# Altium PCB RFID final_backup.PcbDoc (part 2 of 4) (continued)
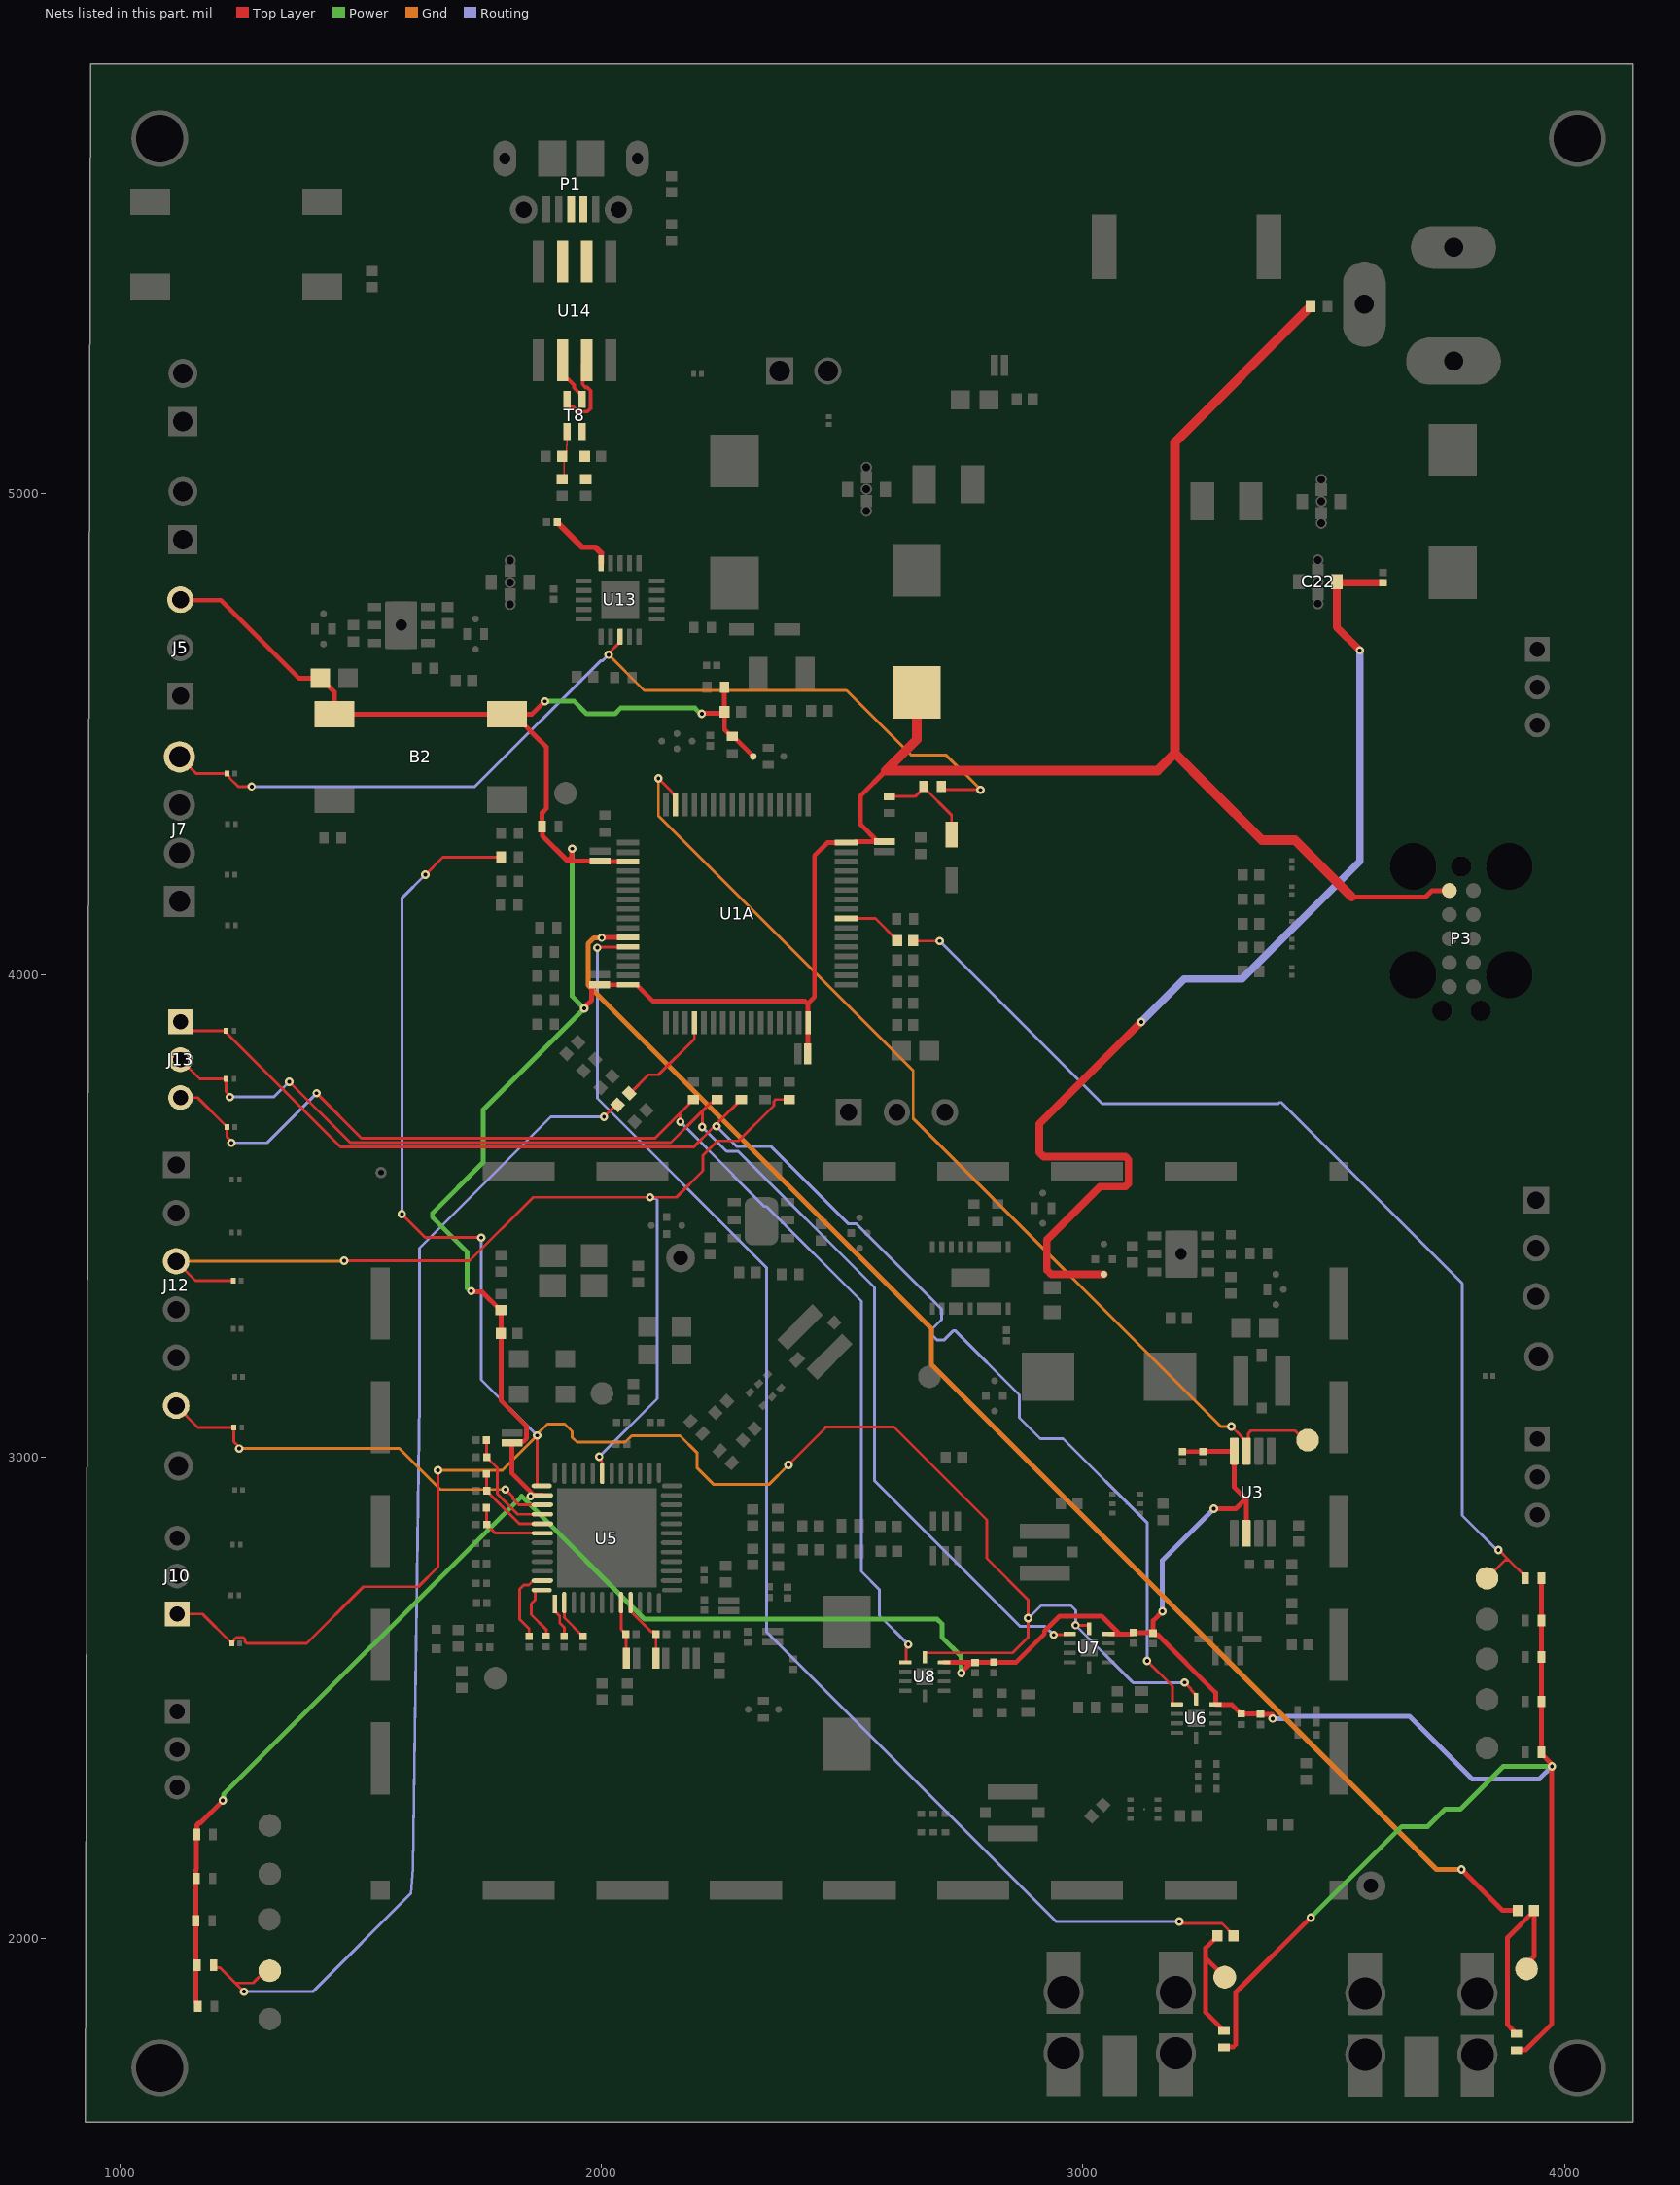
[diagram p6: the nets of this part, all layers, seen from the top]
## Part data (continued)
R21: library part RC0402FR-07100RL, "100 Ohms Â±1% 0.063W, 1/16W Chip Resistor 0402 (1005 Metric) Moisture Resistant Thick Film", Package="0402 Yageo", Availability="In Stock", Check_prices=https://www.snapeda.com/parts/RC0402FR-07100RL/Yageo/view-part/?ref=eda, MF=Yageo, MP=RC0402FR-07100RL, Price=None, Purchase-URL=https://pricing.snapeda.com/search/part/RC0402FR-07100RL/?ref=eda, SnapEDA_Link=https://www.snapeda.com/parts/RC0402FR-07100RL/Yageo/view-part/?ref=snap
R22: library part RC0402FR-0751R1L, "Res Thick Film 0402 51.1 Ohm 1% 1/16W ?100ppm/C Molded SMD SMD Paper T/R", Package=None, Availability=Unavailable, MF="{'manufacturer': u'YAGEO'}", MP=RC0402FR-0751R1L, Price=None
R23: library part ERJ2RKF52R3X, Package=None, Availability=Unavailable, MP=ERJ2RKF52R3X, Price=None
R24: library part RC0402FR-07249RL, "Res Thick Film 0402 249 Ohm 1% 1/16W ?100ppm/C Molded SMD SMD Paper T/R", Package=None, Availability=Unavailable, MP=RC0402FR-07249RL, Price=None
R25 R45: library part RC0402FR-0762RL, "RESISTOR, 0402 0.063W 1% 62R; Resistance:62ohm; Resistance Tolerance:Â± 1%; Power Rating:63mW; Voltage Rating:50V; Temperature Coefficient:Â± 100ppm/Â°C; Resistor Element Material:Thick Film; Resistor Case Style:0402; Resistor Mounting:SMD; SVHC:No SVHC (19-Dec-2011); External Depth:0.35mm; External Length / Height:1mm; External Width:0.5mm; No. of Pins:2; Operating Temperature Range:-55Â°C to +155Â°C; Overload Voltage:100V; Package / Case:0402; Series:RC32H; Temperature Coeff. +:100ppm/Â°C; Temperature Coeff. -:100ppm/Â°C", Package=None, Availability=Unavailable, MP=RC0402FR-0762RL, Price=None
R26 R35: library part ERJ2RKF75R0X, Package=None, Availability=Unavailable, MP=ERJ2RKF75R0X, Price=None
R28: library part RC0402FR-0735K7L, "RES SMD 35.7K OHM 1% 1/16W 0402", Package=None, Availability=Unavailable, MP=RC0402FR-0735K7L, Price=None
R30: library part ERJ2RKF4222X, Package=None, Availability=Unavailable, MP=ERJ2RKF4222X, Price=None
R32: library part RCG0402100KFKED, "Res Thick Film 0402 100K Ohm 1% 1/16W Â±100ppm/Â°C Molded SMD", Package=None, Availability=Unavailable, MP=RCG0402100KFKED, Price=None
R33: library part ERJ-2GEJ153X, "15 kOhms ±5% 0.1W, 1/10W Chip Resistor 0402 (1005 Metric) Automotive AEC-Q200 Thick Film", Package="1020-2 Panasonic", Check_prices=https://www.snapeda.com/parts/ERJ-2GEJ153X/Panasonic+Electronic+Components/view-part/?ref=eda, MF="Panasonic Electronic", MP=ERJ-2GEJ153X, SnapEDA_Link=https://www.snapeda.com/parts/ERJ-2GEJ153X/Panasonic+Electronic+Components/view-part/?ref=snap
R41 R47: library part RC0402FR-0727RL, "Surface Mount Thick Film Resistor, RC Series, 27 ohm, 63 mW, - 1%, 50 V, 0402 [1005 Metric]", Package="1005 Panasonic Electronic Components", Digi-Key_Part_Number=YAG3086CT-ND, Digi-Key_Purchase_URL=https://www.digikey.com/product-detail/en/yageo/RC0402FR-0727RL/YAG3086CT-ND/5281951?utm_source=snapeda&utm_medium=aggregator&utm_campaign=symbol, MF=Yageo, MP=RC0402FR-0727RL, SnapEDA_Link=https://www.snapeda.com/parts/RC0402FR-0727RL/Yageo/view-part/938293/?ref=snap
R44: library part RC0402FR-0731K6L, "Thick film general purpose", Package=None, Availability=Unavailable, MP=RC0402FR-0731K6L, Price=None
R86: library part RC0402JR-0720RL, "20 Ohms ±5% 0.063W, 1/16W Chip Resistor 0402 (1005 Metric) Moisture Resistant Thick Film", Package="1005 Panasonic Electronic Components", Check_prices=https://www.snapeda.com/parts/RC0402JR-0720RL/Yageo/view-part/?ref=eda, MF=Yageo, MP=RC0402JR-0720RL, SnapEDA_Link=https://www.snapeda.com/parts/RC0402JR-0720RL/Yageo/view-part/?ref=snap
S1: "RF Switch IC WiMax, WLAN SPDT 6GHz 50Ohm 6-DFN (1.5x1.5)", Package="XFDFN-6 Skyworks Solutions", Availability=Warning, MF="Skyworks Solutions", MP=SKY13431-374LF, Price=None, Purchase-URL=https://pricing.snapeda.com/search/part/SKY13431-374LF/?ref=eda, SnapEDA_Link=https://www.snapeda.com/parts/SKY13431-374LF/Skyworks%20Solutions%20Inc./view-part/1233094/?ref=snap
S2: library part SKY13431-374LF, "RF Switch IC WiMax, WLAN SPDT 6GHz 50Ohm 6-DFN (1.5x1.5)", Package="XFDFN-6 Skyworks Solutions", Availability=Warning, MF="Skyworks Solutions", MP=SKY13431-374LF, Price=None, Purchase-URL=https://pricing.snapeda.com/search/part/SKY13431-374LF/?ref=eda, SnapEDA_Link=https://www.snapeda.com/parts/SKY13431-374LF/Skyworks%20Solutions%20Inc./view-part/1233094/?ref=snap
SHIELD1: "EMI Filters; Board Level Shielding (BLS); STD SHIELD FRAME; CRS-50.80X38.10X5.08MM", Package=None, Availability=Warning, DigiKey-Purchase-URL=https://snapeda.com/shop?store=DigiKey&id=1493072, MF="TE Connectivity", Mouser-Purchase-URL=https://snapeda.com/shop?store=Mouser&id=1493072, MP=2118732-2, Price=None, SnapEDA_Link=https://www.snapeda.com/parts/2118732-2/TE%20Connectivity%20AMP%20Connectors/view-part/1493072/?ref=snap
T1: library part 0900LP15B0063E, "911.5MHz Frequency Low Pass RF Filter (Radio Frequency) 97MHz Bandwidth 0.9dB 0805 (2012 Metric), 8 PC Pad", Package="0805 Johanson", Availability=Bad, MF="Johanson Technology", MP=0900LP15B0063E, Price=None, SnapEDA_Link=https://www.snapeda.com/parts/0900LP15B0063E/Johanson%20Technology%20Inc./view-part/2720562/?ref=snap
T2: library part DC1722J5020AHF, "RF Directional Coupler General Purpose 1.7GHz ~ 2.2GHz 19.9dB 2W 0805 (2012 Metric)", Package="0805 Anaren Microwave", Availability=Unavailable, MF=Anaren, MP=DC1722J5020AHF, Price=None, SnapEDA_Link=https://www.snapeda.com/parts/DC1722J5020AHF/Anaren/view-part/480148/?ref=snap
T3: library part 0900BL15C050E, "Filter", Manufacturer_Name="JOHANSON TECHNOLOGY", Mouser Part Number=609-0900BL15C050E, Arrow Part Number=0900BL15C050E, Arrow Price/Stock=https://www.arrow.com/en/products/0900bl15c050e/johanson-dielectrics?region=europe, Datasheet Link=https://www.johansontechnology.com/datasheets/0900BL15C050/0900BL15C050.pdf, Height=0.8mm, Manufacturer_Part_Number=0900BL15C050E, Mouser Price/Stock=https://www.mouser.co.uk/ProductDetail/Johanson-Technology/0900BL15C050E?qs=yCnrNFeXz%252BjgDEe7ZYwcVg%3D%3D
T4: library part DC0710J5010AHF, "RF Directional Coupler General Purpose 700MHz ~ 1GHz 10.9dB 2W 0805 (2012 Metric)", Package="0805 Anaren Microwave", Availability=Good, DigiKey-Purchase-URL=https://snapeda.com/shop?store=DigiKey&id=480146, MF=Anaren, Mouser-Purchase-URL=https://snapeda.com/shop?store=Mouser&id=480146, MP=DC0710J5010AHF, Price=None, SnapEDA_Link=https://www.snapeda.com/parts/DC0710J5010AHF/Anaren/view-part/480146/?ref=snap
T5 T6: "Signal Conditioning 800-1000MHz 50/100 Ohm IL=.95dB", Package=None, Check_prices=https://www.snapeda.com/parts/BD0810J50100AHF/LM+Technologies/view-part/?ref=eda, MF="ttm technologies", MP=BD0810J50100AHF, SnapEDA_Link=https://www.snapeda.com/parts/BD0810J50100AHF/LM+Technologies/view-part/?ref=snap
T8: library part CMP-0222-00046-2, Ambient Temperature Range High=85°C, Ambient Temperature Range Low=-40°C, Case/Package=0805, Current=370mA, DC Resistance (DCR)=300mΩ, Frequency=100MHz, Inductance=131nH, Max Operating Temperature=125°C, Tolerance=25%, Voltage Rating=50V, Core Material=Ferrite, Current Rating=370mA, Depth=1.2mm, Height=1.2mm, Impedance=90Ω, Lead Free="Lead Free", Length=2mm, Max Current Rating=370mA, Max DC Current=370mA, Min Operating Temperature=-40°C, Mount="Surface Mount", NexarPartId=22803305, Number of Lines=2, Number of Pins=4, Packaging=Digi-Reel®, REACH SVHC="No SVHC", Resistance=300mΩ, RoHS=Compliant, Termination=SMD/SMT, Test Frequency=100MHz, Voltage Rating (AC)=50V, Voltage Rating (DC)=50V, Weight=11.991848mg, Width=1.2mm
U1A: "ARMÂ® CortexÂ®-M4 STM32L4 Microcontroller IC 32-Bit Single-Core 80MHz 1MB (1M x 8) FLASH 64-LQFP (10x10)", Package="LQFP-64 STMicroelectronics", Availability="In Stock", Check_prices=https://www.snapeda.com/parts/STM32L476RGT6/STMicroelectronics/view-part/?ref=eda, MF=STMicroelectronics, MP=STM32L476RGT6, Price=None, Purchase-URL=https://pricing.snapeda.com/search?q=STM32L476RGT6&ref=eda, SnapEDA_Link=https://www.snapeda.com/parts/STM32L476RGT6/STMicroelectronics/view-part/?ref=snap
U2: "RF Amplifier 699-960MHz PAE 31% Gain 35.5dB", Package=None, Availability=Warning, MF=Qorvo, MP=TQP9107, Price=None, Purchase-URL=https://pricing.snapeda.com/search/part/TQP9107/?ref=eda, SnapEDA_Link=https://www.snapeda.com/parts/TQP9107/Qorvo/view-part/1064589/?ref=snap
U3: library part MAX4003EUA+T, "100MHz to 2500MHz, 45dB RF Detector in a UCSP", Package="MICRO MAX-8 Maxim", Check_prices=https://www.snapeda.com/parts/MAX4003EUA+T/Analog+Devices/view-part/?ref=eda, MF="Analog Devices", MP=MAX4003EUA+T, SnapEDA_Link=https://www.snapeda.com/parts/MAX4003EUA+T/Analog+Devices/view-part/?ref=snap
U4: library part TXETDCSANF-20.000000, "20MHz TCXO Clipped Sine Wave Oscillator 2.8V ~ 3.3V 4-SMD, No Lead", Package="SMD-4 Taitien", Availability=Warning, MF=Taitien, MP=TXETDCSANF-20.000000, Price=None, Purchase-URL=https://pricing.snapeda.com/search/part/TXETDCSANF-20.000000/?ref=eda, SnapEDA_Link=https://www.snapeda.com/parts/TXETDCSANF-20.000000/Taitien/view-part/3601305/?ref=snap
U5: "Integrated Circuit", Manufacturer_Name=STMicroelectronics, Mouser Part Number=511-ST25RU3993-BQFT, Arrow Part Number=ST25RU3993-BQFT, Arrow Price/Stock=https://www.arrow.com/en/products/st25ru3993-bqft/stmicroelectronics?region=nac, Datasheet Link=https://www.st.com/resource/en/datasheet/st25ru3993.pdf, Height=1mm, Manufacturer_Part_Number=ST25RU3993-BQFT, Mouser Price/Stock=https://www.mouser.co.uk/ProductDetail/STMicroelectronics/ST25RU3993-BQFT?qs=VBQ3p0kw5tgG4N%252BXfjyUgw%3D%3D
U6 U7 U8: "Murata Digitally Tunable Capacitor (100-3000 MHz) 0.9-4.6pF, SPI Interface", Package=None, Availability=Bad, MF=pSemi, MP=PE64906MLAA-Z, Price=None, SnapEDA_Link=https://www.snapeda.com/parts/PE64906MLAA-Z/pSemi/view-part/4991719/?ref=snap
U9 U10 U11: "Ð›Ð¸Ð½ÐµÐ¹Ð½Ñ‹Ð¹ Ñ€ÐµÐ³ÑƒÐ»ÑÑ‚Ð¾Ñ€ Ð½Ð°Ð¿Ñ€ÑÐ¶ÐµÐ½Ð¸Ñ IC Ñ Ð¿Ð¾Ð»Ð¾Ð¶Ð¸Ñ‚ÐµÐ»ÑŒÐ½Ñ‹Ð¼ Ñ€ÐµÐ³ÑƒÐ»Ð¸Ñ€Ð¾Ð²Ð°Ð½Ð¸ÐµÐ¼ 1 Ð²Ñ‹Ñ…Ð¾Ð´ 1A 6-DFN (3x3)", Package="DFN-6 STMicroelectronics", Check_prices=https://www.snapeda.com/parts/LD39100PUR/STMicroelectronics/view-part/?ref=eda, MF=STMicroelectronics, MP=LD39100PUR, SnapEDA_Link=https://www.snapeda.com/parts/LD39100PUR/STMicroelectronics/view-part/?ref=snap
U13: "USB2.0 Full Speed IC offers a compact bridge to full handshake UART Interface", Package=None, Availability=Unavailable, MP=FT231XQ-R, Price=None
U14: "- Clamp - Ipp Tvs Diode Surface Mount 8-SOIC", Package="SOIC-8 STMicroelectronics", Check_prices=https://www.snapeda.com/parts/USB6B1RL/STMicroelectronics/view-part/?ref=eda, MF=STMicroelectronics, MP=USB6B1RL, SnapEDA_Link=https://www.snapeda.com/parts/USB6B1RL/STMicroelectronics/view-part/?ref=snap
X1: "32.768 kHz Â±20ppm Crystal 6pF 70 kOhms 2-SMD, No Lead", Package="SMD-2 NDK", Check_prices=https://www.snapeda.com/parts/NX3215SA-32.768K-STD-MUA-14/NDK+America%252C+Inc./view-part/?ref=eda, MF="NDK America,", MP=NX3215SA-32.768K-STD-MUA-14, SnapEDA_Link=https://www.snapeda.com/parts/NX3215SA-32.768K-STD-MUA-14/NDK+America%252C+Inc./view-part/?ref=snap
X3: library part NX3225SA-20.000000MHZ-B2, "Crystal or Oscillator", Manufacturer_Name=NDK, Mouser Part Number=344-NX3225SA20MHZB2, Datasheet Link=https://media.digikey.com/pdf/Data%20Sheets/NDK%20PDFs/NX3225SA-20.000000MHz-B2.pdf, Height=0.7mm, Manufacturer_Part_Number=NX3225SA-20.000000MHZ-B2, Mouser Price/Stock=https://www.mouser.co.uk/ProductDetail/NDK/NX3225SA-20.000000MHZ-B2?qs=w%2Fv1CP2dgqr91JjcOyduEA%3D%3D

## Free pads (board coordinates)
  rect 15.75x23.62 smd: 2(1720.47,4708.66) 2(1755.91,4708.66) 2(2898.78,3516.18) 4(2934.21,3516.18) 9(3382.87,3347.44) 18(1404.53,4719.49) 19(1439.96,4719.49)
  rect 23.62x15.75 smd: 2(2336,2457.54) 2(2336,2492.97) 2(2346.46,4472.44) 4(2346.46,4437.01)
  rect 15.75x15.75 smd: 6(2518.31,3464.84) 11(2798.31,3126.34) 12(2833.74,3126.34) 13(2135,3462.54) 15(2135,3497.97) 16(3025.59,3410.43) 17(3061.02,3410.43)
  round 60 hole 30: 14(2164,3413) 31(3598,2109)
  round 23.62 hole 11.81: 38(1541.75,3590.25)
  round 30 smd: 39(3811,4076)
  rrect50% 70x100 smd: E.P.(2332,3489)
  round 118.11 hole 98.43: MH1(4027,5738) MH2(1082,5738) MH3(1082,1731) MH4(4027,1731)

## Via types
v1: diameter 23.62, hole 13.78, Top Layer to Bottom_Gnd, 278 vias
v2: diameter 17.72, hole 7.87, Top Layer to Bottom_Gnd, tented both sides, 175 vias
v3: diameter 23.62, hole 13.78, Top Layer to Bottom_Gnd, tented both sides, 151 vias
v4: diameter 23.62, hole 15.75, Top Layer to Bottom_Gnd, tented both sides, 124 vias
v5: diameter 23.62, hole 11.81, Top Layer to Bottom_Gnd, tented both sides, 7 vias
v6: diameter 21.65, hole 11.81, Top Layer to Bottom_Gnd, tented both sides, 1 vias
v7: diameter 19.68, hole 11.81, Top Layer to Bottom_Gnd, tented both sides, 1 vias

## Nets (pads, with @x,y where several pads share a name; then routed paths per layer and width w, separated by ;. In a path a pad name is that pad's centre, name@x,y a point inside that pad or via, vN(x,y) a via of type N, cw(c..) or ccw(c..) an arc to the next point about the centre after c; other vN are vias at no path point)
3V3: B2.3 B2.4 C2.1 C11.1 C15.2 C18.2 C19.2 C27.2 C28.2 C29.2 C31.2 C50.2 C53.2 C68.2 C69.2 C70.2 C87.2 C95.2 D1.A D2.A D3.A D4.A D5.A D6.A D7.A D8.A D11.A D12.A D13.A D16.A D17.A FB3.1 FB4.1 J5.3 P3.1 R1.2 R6.2 R32.2 R61.2 U1A.19 U1A.32 U1A.48 U1A.64 U3.2 U3.8 U5.38 U6.4 U7.4 U8.4 | length 14125.6
  Top Layer w9.84: 3260.63,4389.81 3262.19,4389.81
  Top Layer w10: J5.3@1125,4780 1126,4779 1209,4779 1370.87,4617.13 R1.2@1415.55,4617.13 1415.95,4617.13 1444.88,4588.19 B2.3@1444.88,4542.32 B2.4@1803.15,4542.32 B2.4@1816.93,4542.32 ; D6.A@1160.34,1858.95 D6.A@1161.03,1858.27 1161.03,1862.22 1156.7,1866.55 D12.A@1156.7,2036.42 1156.7,2141.55 1158.46,2143.31 D7.A@1158.46,2215.55 1159.21,2216.3 1159.21,2234.82 1164.19,2239.8 1166.8,2239.8 v2(1213,2286) ; v2(1729,3344) 1730.48,3342.52 1751.65,3342.52 1789.84,3304.33 C50.2@1791.02,3304.33 FB4.1@1791.02,3256.34 1791.02,3116.48 1844.15,3063.35 1844.15,3038.35 1836.93,3031.13 1816.48,3031.13 C69.2@1814,3028.65 1814,2965.58 U5.38@1859.66,2919.92 ; v2(1852.43,2918) 1854.52,2918 1856.15,2919.63 1859.37,2919.63 U5.38@1859.66,2919.92 ; U5.38@1876.76,2919.92 U5.38@1859.66,2919.92 ; v2(1882,4569) 1855.32,4542.32 B2.4@1816.93,4542.32 ; v2(1939,4263) 1937.52,4261.52 1937.52,4245.13 1929.56,4237.17 ; v2(1964,3931) 1964,3933.09 1979.35,3948.43 1979.35,3977.81 1981.83,3980.29 C28.2@1996,3980.29 1996.09,3980.2 2072.51,3980.2 2106.72,3946 2422.13,3946 2427.99,3940.14 ; U1A.19@2054.88,4236.02 2054.31,4236.59 1997.62,4236.59 C27.2@1997.05,4237.17 1929.56,4237.17 ; v2(2208,4543) 2209.48,4544.48 2252.59,4544.48 FB3.1@2255.35,4547.24 ; R6.2@2254.92,4598.43 2255.14,4598.21 2255.14,4547.46 FB3.1@2255.35,4547.24 ; C2.1@2314.96,4454.72 2314.96,4454.92 2273.82,4496.06 R61.2@2271.65,4496.06 2269.49,4496.06 2255.35,4510.2 FB3.1@2255.35,4547.24 ; C29.2@2428.35,3836.97 2428.62,3837.24 2428.62,3901.1 U1A.48@2428.9,3901.38 2428.9,3941.9 2442.14,3955.14 2442.14,4248.52 2469.02,4275.39 U1A.64@2507.64,4275.39 2525.35,4275.39 2527.64,4277.68 C31.2@2573.46,4277.68 ; C31.2@2587.64,4277.68 C31.2@2573.46,4277.68 ; 2590,4425 2538,4373 2538,4313.14 C31.2@2573.46,4277.68 ; U8.4@2711.61,2572.83 2711.73,2572.72 2775.51,2572.72 C18.2@2775.63,2572.6 2775.98,2572.95 2814.61,2572.95 C53.2@2814.96,2573.31 2860.98,2573.31 2919.86,2632.19 2919.86,2637.53 2951.26,2668.93 3038.94,2668.93 3075.98,2631.89 ; v2(2747,2551) 2747,2552.1 2764.82,2569.92 ; U7.4@3053.15,2631.89 3075.98,2631.89 ; v2(3165,2679) 3145.67,2659.67 C87.2@3145.67,2633.62 ; C15.2@3206.69,3010.59 3206.81,3010.71 3248.9,3010.71 C70.2@3249.02,3010.83 3313.39,3010.83 U3.8@3313.98,3011.42 3313.98,2936.85 3339.31,2911.51 ; v2(3272,2892) 3317.44,2892 3336.96,2911.51 3339.31,2911.51 ; D16.A@3292.95,1773.36 3293.7,1774.11 3312.23,1774.11 ; 3317.2,1779.09 3317.2,1887.2 v2(3473,2043) ; U3.2@3339.31,2841.2 3339.31,2911.51 ; 3392.69,2465.22 3392.69,2457.64 v2(3394.17,2456.17) ; 3392.68,2465.24 C19.2@3368.9,2465.24 3368.54,2465.59 3328.86,2465.59 3308.92,2485.53 U6.4@3275.35,2485.53 3275.35,2510.09 3154.5,2630.94 3148.35,2630.94 C87.2@3145.67,2633.62 ; 3558.09,4162.91 3712.13,4162.91 3725.23,4176 P3.1@3761,4176 ; D17.A@3900.59,1767.33 3901.34,1768.08 3919.86,1768.08 3974,1822.22 v2(3974,2357) 3972.52,2358.48 3972.52,2362.46 3952.6,2382.39 D3.A@3952.6,2386.34 D11.A@3952.6,2491.65 D5.A@3952.6,2584.17 D2.A@3952.6,2659.96 D4.A@3952.6,2747.56 ; B2.4@1816.93,4542.32 1884.86,4474.39 1884.86,4345.8 1876.19,4337.13 D1.A@1876.19,4309.06 1876.94,4308.31 1876.94,4289.78 1929.56,4237.17 ; 3075.98,2631.89 3101.97,2631.89 3104.92,2634.84 C95.2@3105.31,2634.84 3105.93,2634.23 3145.06,2634.23 C87.2@3145.67,2633.62
  Top Layer w19.68: C11.1@2654.53,4587.6 2654.53,4489.53 2590,4425 3155,4425 3191,4461 ; R32.2@3473,5389 3473,5387.23 3472.8,5387.03 3471.03,5387.03 3191,5107 3191,4461 ; 3558.09,4162.91 3440.59,4280.41 3371.59,4280.41 3262.19,4389.81 3191,4461
  Power w10: v2(1213,2286) 1214.48,2287.48 1214.48,2298.48 1834,2918 1843.22,2908.78 ; v2(1729,3344) 1726.91,3344 1721.05,3349.86 1721,3349.86 1721,3425 1648.44,3497.56 1648.44,3505.85 1754,3611.41 1754,3721 v2(1964,3931) 1939,3956 v2(1939,4263) ; v2(1852.43,2918) 1843.22,2908.78 ; v2(1882,4569) 1943.02,4569 1968.88,4543.14 2027.81,4543.14 2039.53,4554.86 2194.05,4554.86 2205.91,4543 v2(2208,4543) ; v2(2747,2551) 2747,2585 2707,2625 2707,2653 2697,2663 2089,2663 1843.22,2908.78 ; v2(3473,2043) 3662,2232 3716,2232 3752,2268 3784,2268 3873,2357 v2(3974,2357)
  Routing w10: v2(3165,2679) 3165,2785 v2(3272,2892) ; v2(3394.17,2456.17) 3418.19,2456.17 3423.02,2461 3678,2461 3808,2331 3948,2331 v2(3974,2357)
3V3OUT: C103.2 U13.10 | length 152.3
  Top Layer w5.91: C103.2@1907.95,4940.55 C103.2@1907.95,4940.94 ; U13.10@1996.65,4867.96 1999.02,4865.6 U13.10@1999.02,4855.71
  Top Layer w11.81: C103.2@1907.95,4940.55 1959.5,4889 1987,4889 1999.02,4876.98 U13.10@1999.02,4855.71
6V: C22.3 C24.2 C47.1 | length 2291.1
  Top Layer w5.91: C22.3@3527.37,4817 C22.3@3529.17,4815.2
  Top Layer w15.75: C47.1@3043.31,3378.94 2934.23,3378.94 2925,3388.16 2925,3450.43 3035.51,3560.94 3088.02,3560.94 3094.68,3567.6 3094.68,3616.4 3088.02,3623.06 2918.23,3623.06 2909,3632.28 2909,3691 v2(3121,3903) ; C22.3@3527.37,4817 3527.37,4722.63 v2(3575,4675) ; C22.3@3529.17,4815.2 C24.2@3623.43,4815.2
  Routing w15.75: v2(3121,3903) 3210.19,3992.19 3330.19,3992.19 3575,4237 v2(3575,4675)
ADC: D38.1 J12.6 U5.39 | length 867.4
  Top Layer w5.91: J12.6@1116.14,3105.94 1161.14,3060.94 D38.1@1236.14,3060.94 1236.14,3031.05 1247,3020.2 v2(1247,3017) ; v2(1800,2932) 1815.92,2916.08 1815.92,2912.3 1827.99,2900.24 U5.39@1876.76,2900.24
  Gnd w5.91: v2(1247,3017) 1580,3017 1665,2932 v2(1800,2932)
AGD: C63.2 C64.2 U5.42 | length 158.5
  Top Layer w5.91: C63.2@1760.71,2894.31 1760.96,2894.05 1760.96,2859.56 C64.2@1761.22,2859.31 1761.22,2858.91 1778.95,2841.18 U5.42@1876.76,2841.18
ANT1: D16.C R82.2 TP14.TP? | length 280.9
  Top Layer w10: R82.2@3278.99,2005 3278.99,2003.82 3255,1979.83 3255,1958.58 ; D16.C@3292.95,1807.6 3289,1807.6 3286.14,1810.46 3286.14,1814.41 3255,1845.55 3255,1958.58 ; TP14.TP?@3294.29,1919.29 3255,1958.58
ANT1_LED: R82.1 U1A.28 | length 2863.6
  Top Layer w5.91: v2(1991,4057.14) 1992.29,4058.43 2054.45,4058.43 U1A.28@2054.88,4058.86 ; v2(3200,2035) 3203.2,2035 3207.7,2030.5 3288.69,2030.5 3313.01,2006.18 R82.1@3313.01,2005
  Routing w5.91: v2(1991,4057.14) 1991,3744.4 2342.81,3392.59 2342.81,2636.25 2944.06,2035 v2(3200,2035)
ANT2: D17.C R83.2 TP15.TP? | length 415.7
  Top Layer w10: D17.C@3900.59,1801.57 3896.64,1801.57 3893.78,1804.43 3893.78,1808.38 3882,1820.16 3882,2001.45 R83.2@3936.97,2056.42 ; TP15.TP?@3921.26,1936.02 3921.26,1946.1 3936.97,1961.81 R83.2@3936.97,2056.42 ; R83.2@3936.97,2057.6 R83.2@3936.97,2056.42
ANT2_LED: R83.1 U1A.27 | length 2944.9
  Top Layer w10: v2(2000,4078) 2000.27,4078.27 2054.61,4078.27 U1A.27@2054.88,4078.54 ; v2(3786.28,2142.81) 3871.48,2057.6 R83.1@3902.95,2057.6
  Gnd w10: v2(2000,4078) 1984.33,4078 1972.14,4065.81 1972.14,3979.53 2685.14,3266.53 2685.14,3191.86 3734.19,2142.81 v2(3786.28,2142.81)
Boot0: D10.A D15.A R37.2 | length 201.3
  Top Layer w5.91: D15.A@2597.64,4371.21 2651.05,4371.21 2669.65,4389.8 2727,4332.45 D10.A@2727,4292
CBIB: C88.2 C89.2 U5.9 | length 142.2
  Top Layer w5.91: U5.9@2060.24,2697.08 2059.08,2697.08 2059,2697 2059,2680.63 2103.37,2636.26 2108.46,2636.26 2113.19,2631.54 C89.2@2113.19,2631.34 2112.93,2631.08 2112.93,2581.95 C88.2@2112.68,2581.69
CBV: C83.2 C84.2 U5.8 | length 120
  Top Layer w5.91: U5.8@2040.55,2697.08 2040.55,2641.3 2050.31,2631.54 C84.2@2050.31,2631.34 2050.98,2630.67 2050.98,2582.36 C83.2@2051.65,2581.69
CD1: C61.2 C62.2 U5.41 | length 179.3
  Top Layer w5.91: C61.2@1760.71,2964.31 1760.96,2964.05 1760.96,2929.17 1829.27,2860.87 U5.41@1876.76,2860.87
CD2: C59.2 C60.2 U5.40 | length 231.9
  Top Layer w5.91: C59.2@1760.71,3034.31 1760.96,3034.05 1760.96,2999.56 C60.2@1761.22,2999.31 1761.22,2998.91 1783,2977.13 1783,2923 1825.45,2880.55 U5.40@1876.76,2880.55
CLK: D22.1 J10.1 R8.1 U5.37 U6.5 U7.5 U8.5 | length 4916.3
  Top Layer w5.91: J10.1@1118.19,2673.54 1170.67,2673.54 D22.1@1228.98,2615.24 ; D22.1@1231.93,2612.28 1231.93,2613.41 1236.95,2618.43 1236.95,2620.86 1240.73,2624.64 1255.65,2624.64 1259.43,2620.86 1259.43,2615.74 1262.88,2612.28 1387.28,2612.28 1505,2730 1619,2730 1660,2771 v2(1660,2972) ; v2(1585,3504) 1633,3456 1749.19,3456 v2(1750.09,3455.09) ; v2(1633.82,4209.18) 1634.18,4209.18 1670.28,4245.28 R8.1@1791.34,4245.28 ; v2(1866,3044) 1866,2941.23 1867.62,2939.61 U5.37@1875.5,2939.61 ; v2(2388,2983) 2465,3060 2465,3061.54 2607.46,3061.54 2800,2869 2800,2788.83 2886,2702.83 v2(2886,2664.81) 2886,2625 2853.62,2592.62 2672.64,2592.62 2671.26,2591.24 U8.5@2671.26,2583.66 ; v2(2984.67,2650.08) 3011.42,2650.08 3012.8,2648.7 U7.5@3012.8,2642.72 ; v2(3211,2531) 3224.24,2517.76 3224.24,2515.78 3235,2505.02 U6.5@3235,2496.35
  Gnd w5.91: v2(1660,2972) 1794,2972 v2(1866,3044) 1866,3046.98 1887.06,3068.04 1923.45,3068.04 1938.81,3052.68 1938.81,3040.04 1948.66,3030.19 2049,3030.19 2062.62,3043.81 2162.96,3043.81 2198,3008.77 2198,2977.23 2233.04,2942.19 2347.19,2942.19 v2(2388,2983)
  Routing w5.91: v2(1585,3504) 1585,4160 1633.82,4208.82 v2(1633.82,4209.18) ; v2(1750.09,3455.09) 1750.09,3159.91 v2(1866,3044) ; v2(2886,2664.81) 2886.81,2664.81 2913,2691 2975,2691 2984.67,2681.33 v2(2984.67,2650.08) ; v2@2984.67,2648.82 2985.93,2648.82 3103.75,2531 v2(3211,2531)
COMN_A: C80.2 U5.48 | length 124.2
  Top Layer w5.91: U5.48@1875.5,2723.07 1863.65,2723.07 1862.03,2721.45 1862.03,2702.55 1854,2694.52 1854,2672 1884.84,2641.16 C80.2@1884.84,2627.44
COMN_B: C82.2 U5.2 | length 86.3
  Top Layer w5.91: U5.2@1922.44,2697.08 1922.44,2665.98 1961.22,2627.2 C82.2@1961.61,2627.2
COMP_A: C79.2 U5.47 | length 160.3
  Top Layer w5.91: C79.2@1849.41,2627.2 1849.41,2642.59 1830,2662 1830,2725.54 1838.19,2733.73 1849.1,2733.73 1858.12,2742.76 U5.47@1876.76,2742.76
COMP_B: C81.2 U5.1 | length 74.8
  Top Layer w5.91: U5.1@1902.76,2693.88 1902.76,2679.39 1913.04,2669.11 1913.04,2655.03 1922.24,2645.82 C81.2@1922.24,2627.2
CRC_ERR: "TAG CRC ERROR.TP?" D13.C R66.2 | length 2474.9
  Top Layer w5.91: D13.C@1193.9,1943.9 1193.9,1943.75 1198.8,1938.85 1207.15,1938.85 1227.55,1918.45 1239,1907 ; v2(1257,1889) 1239,1907 ; 1310.65,1932.54 1301.54,1932.54 1276,1907 1239,1907 ; v2(2005,3706) 2030.15,3731.15 R66.2@2033.16,3731.15
  Routing w5.91: v2(1257,1889) 1400,1889 1604.08,2093.08 1608.1,2144.8 1621.78,3116.24 1621.78,3433.23 1894.55,3706 v2(2005,3706)
CRC_ERR_LED: R66.1 U1A.36 | length 215.6
  Top Layer w5.91: R66.1@2057.21,3755.21 2059.34,3755.21 2097.44,3793.31 2118.11,3793.31 2192.68,3867.87 U1A.36@2192.68,3901.38
D_CMC_N: C101.2 R41.1 T8.3 | length 108.6
  Top Layer w3.05: R41.1@1918,5030 1921.87,5033.87 1921.87,5078 C101.2@1918.01,5078 1927.11,5087.1 1927.11,5100 1928.15,5101.04 T8.3@1928.15,5128.94
D_CMC_P: C102.2 R47.1 T8.2
D_CON_N: P1.2 U14.2
D_CON_P: P1.3 U14.3
D_ESD_N: T8.4 U14.7 | length 181.7
  Top Layer w7.48: T8.4@1928.15,5195.87 1928.15,5186.02 1932.28,5181.89 1940.15,5181.89 1944.53,5177.51 1944.53,5175.15 1948.77,5170.91 1970.52,5170.91 1977.13,5177.52 1977.13,5214.22 1970.52,5220.82 1967.03,5220.82 1960.44,5227.41 1960.44,5233.61 1960.83,5234 1960.83,5269.49 U14.7@1968.9,5277.56
D_ESD_P: T8.1 U14.6 | length 100.8
  Top Layer w7.48: U14.6@1918.9,5277.56 1918.9,5246.06 1926.97,5237.99 1930.78,5237.99 1942.96,5225.81 1942.96,5220.17 1959.65,5203.49 T8.1@1959.65,5195.87
Detector: TP4.TP? U1A.15 U3.7 | length 2157.9
  Top Layer w5.91: v2(2118,4409) 2145.98,4381.02 2145.98,4379.18 2153.31,4371.85 U1A.15@2153.31,4354.13 ; v2(3308,3063) 3329.68,3041.32 3329.68,3040 3339.57,3030.12 U3.7@3339.57,3011.42 3343.23,3015.08 3343.23,3048.23 3349.19,3054.19 3440.34,3054.19 3460.08,3034.45 TP4.TP?@3466.54,3034.45
  Gnd w5.91: v2(2118,4409) 2118,4331 2647.16,3801.84 2647.16,3702.39 3286.55,3063 v2(3308,3063)
DTR: D50.1 J7.04 R37.1 U13.18 | length 2053.4
  Top Layer w5.91: J7.04@1123.03,4453.66 1158.03,4418.66 D50.1@1221.77,4418.66 1221.77,4417.54 1226.8,4412.52 1226.8,4410.08 1244.88,4392 v2(1273,4392) ; v2(2014.41,4665.68) 2014.41,4668.15 2038.39,4692.13 U13.18@2038.39,4703.35 ; R37.1@2705.63,4391.97 2711.6,4386 2711.6,4385.94 2712.32,4385.22 v2(2787,4385.22)
  Gnd w5.91: v2(2014.41,4665.68) 2088.28,4591.81 2508.66,4591.81 2643.47,4457 2716,4457 2787,4386 v2(2787,4385.22)
  Routing w5.91: v2(1273,4392) 1737,4392 1997.93,4652.93 2001.67,4652.93 v2(2014.41,4665.68)
EN: D35.1 J12.3 R13.1 U5.31 | length 2208.8
  Top Layer w5.91: J12.3@1116.14,3405.94 1156.14,3365.94 D35.1@1234.88,3365.94 ; v2(1465,3407) 1725.77,3407 1857.7,3538.93 v2(2100.78,3538.93) 2155.45,3538.93 2210.55,3594.03 2210.55,3625.67 2240.87,3656 2284.3,3656 2357.83,3729.53 2357.83,3738.39 2361.29,3741.85 R13.1@2389.76,3741.85 ; v2(1995,3000) 1995,2996.8 2000.51,2991.3 2000.51,2966.27 U5.31@2001.18,2965.6
  Gnd w5.91: J12.3@1116.14,3405.94 1116.67,3406.47 1464.47,3406.47 v2(1465,3407)
  Routing w5.91: v2(1995,3000) 2115.32,3120.32 2115.32,3533.29 2111.86,3536.75 2102.96,3536.75 v2(2100.78,3538.93)
ETC_1: D25.1 J13.1 R40.2 U6.6 | length 3066.1
  Top Layer w5.91: J13.1@1125,3903.35 1143.74,3884.61 D25.1@1220,3884.61 1221.83,3882.78 1221.83,3879.22 1458.05,3643 2190.77,3643 2228.32,3680.55 2228.32,3680.67 v2@2236.33,3688.67 ; v2(2238.61,3686.39) v2@2236.33,3688.67 ; R40.2@2290.35,3741.85 2288.19,3741.85 2281.5,3735.16 2281.5,3733.84 2249,3701.35 v2@2236.33,3688.67 ; v2(3133,2576) 3185.69,2523.31 3185.69,2486.91 3187.07,2485.53 U6.6@3194.65,2485.53
  Routing w5.91: v2(2238.61,3686.39) 2281.12,3643.88 2352.39,3643.88 2512.73,3483.54 2529.51,3483.54 2706.31,3306.75 2706.31,3285.08 2687.19,3265.96 2687.19,3252.04 2697.04,3242.19 2710.96,3242.19 2730.08,3261.31 2734.97,3261.31 2867.59,3128.68 2867.59,3081.13 2911.29,3037.44 2958.84,3037.44 3133,2863.28 v2(3133,2576)
ETC_2: D26.1 J13.2 R39.2 U7.6 | length 2736
  Top Layer w5.91: J13.2@1125,3824.61 1165,3784.61 D26.1@1220,3784.61 1220,3758.2 1228,3750.2 v2(1228,3747) ; v2(1351,3779) 1477.59,3652.41 2143.91,3652.41 2209,3717.5 ; v2(2209,3685) 2209,3717.5 ; R39.2@2240.16,3741.85 2233.46,3735.16 2226.66,3735.16 2209,3717.5 ; v2(2939,2630) 2939.94,2630.94 2971.5,2630.94 U7.6@2972.44,2631.89
  Routing w5.91: v2(1228,3747) 1319,3747 v2(1351,3779) ; v2(2209,3685) 2259.52,3634.48 2283.81,3634.48 2567,3351.29 2567,2950.23 2869.23,2648 2921,2648 v2(2939,2630)
ETC_3: D27.1 J13.3 R38.2 U8.6 | length 2575.3
  Top Layer w5.91: J13.3@1125,3745.87 1160.61,3745.87 1218.92,3687.56 1220.04,3687.56 1221.87,3685.73 D27.1@1221.87,3684.61 1221.87,3664.33 1231,3655.2 v2(1231,3652) ; v2(1408,3755) 1501.19,3661.81 2110.91,3661.81 2161.46,3712.37 ; v2(2163.36,3695.64) 2163.36,3714.27 2182.09,3732.99 2182.09,3735.16 2188.78,3741.85 R38.2@2190.94,3741.85 ; U8.6@2631.18,2572.57 2631.18,2572.83 2632.55,2574.21 2632.55,2602.36 2637,2606.8 v2(2637,2610)
  Routing w5.91: v2(1231,3652) 1305,3652 v2(1408,3755) ; v2(2163.36,3695.64) 2273.25,3585.75 2273.25,3584.3 2337.9,3519.66 2342.71,3519.66 2539.34,3323.02 2539.34,2761.66 2577,2724 2577,2670 v2(2637,2610)
extPA: D4.C extPA.TP? R18.2 | length 2167.6
  Top Layer w5.91: R18.2@2647.64,4071.97 2651.5,4071.97 2652.46,4071 v2(2702,4071) ; extPA.TP?@3839.17,2747.56 3876.55,2784.94 3884.94,2784.94 ; v2(3863,2806) 3863.87,2806 3884.94,2784.94 ; D4.C@3918.36,2747.56 3918.36,2751.51 3884.94,2784.94
  Routing w5.91: v2(2702,4071) 3040,3733 3405.54,3733 3408.32,3735.78 3412.26,3735.78 3788,3360.04 3788,2877.92 3859.92,2806 v2(3863,2806)
extPA_LED: R18.1 U1A.56 | length 125.7
  Top Layer w5.91: U1A.56@2507.64,4117.91 2568.86,4117.91 2613.62,4073.15 R18.1@2613.62,4071.97